# KiCad board v10.kicad_pcb (continued)
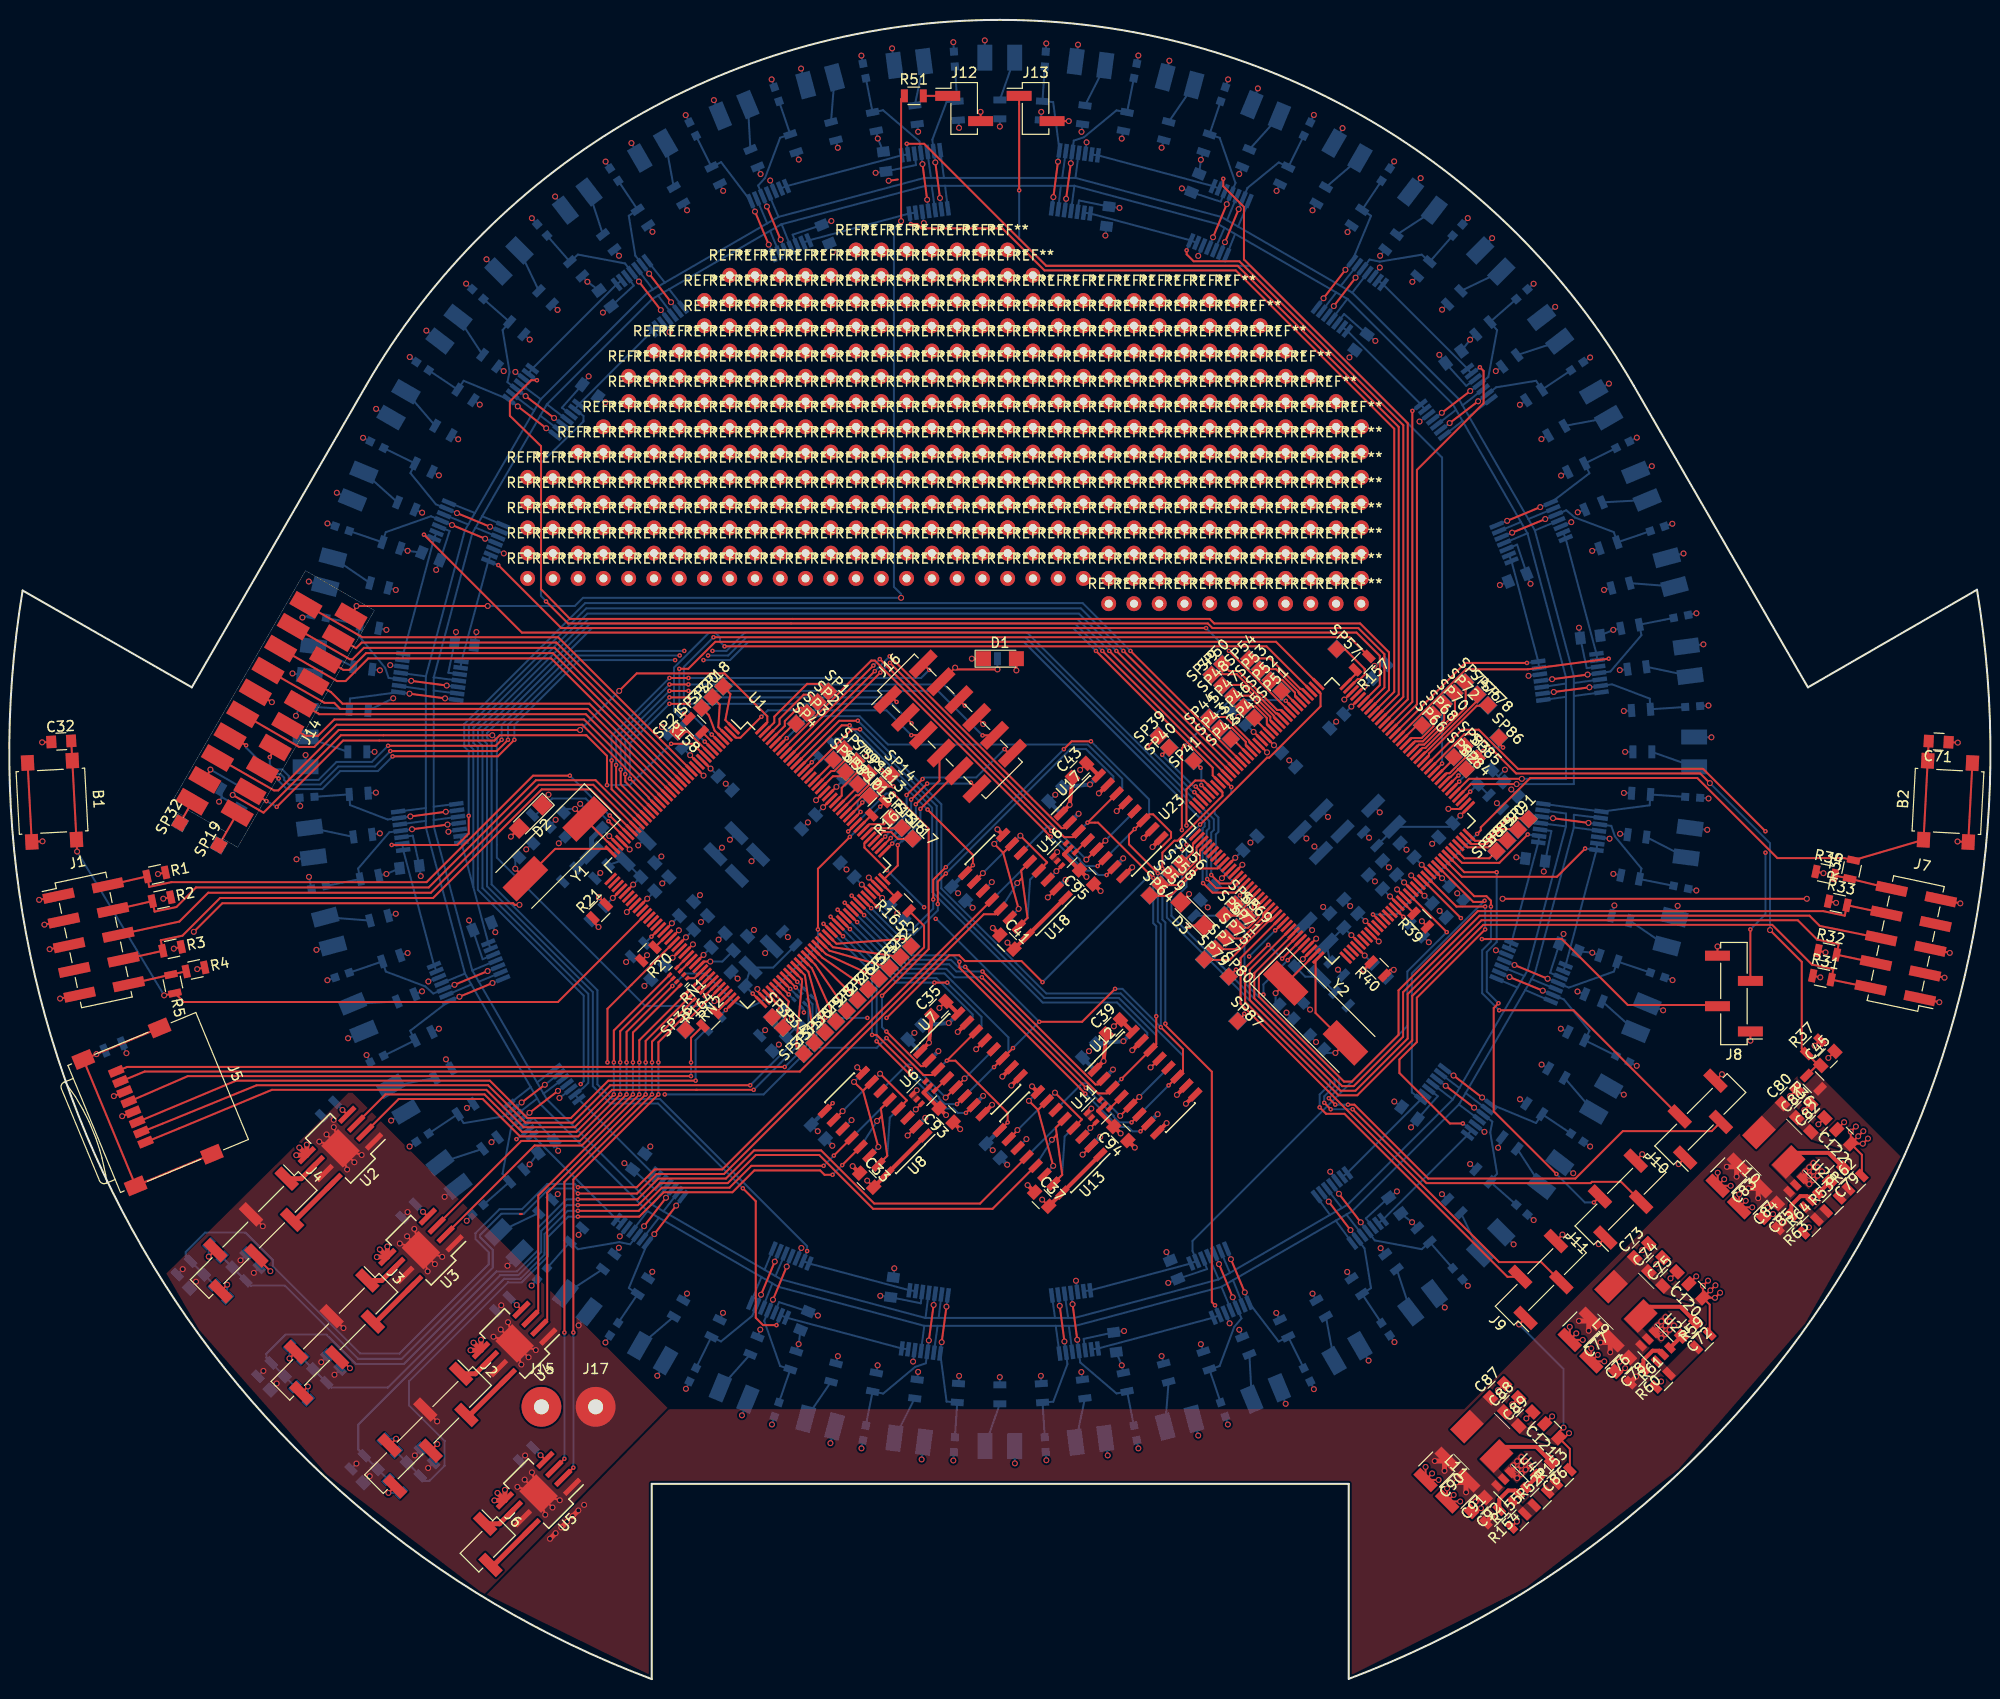
[diagram p0: board, top side]
## Routing (per net, layer and track width the routed paths; a pad name or vN(x,y) marks a point on that pad's centre or on a via; arc(x,y) is an arc through that point) (continued)
GND: length 504.4
  Top w0.2: U8.8 v1(85.24,61.51) ; v1(59.23,75.62) 58.66,76.19 R21.2 ; U1.44 v1(62.08,77.12) ; v1(68.72,73.87) 67.88,73.03 U1.58 ; v1(86.4,80.59) 87.25,79.74 U1.106 ; U1.126 v1(81.1,88.37) ; U1.12 v1(69.79,90.84) ; U1.33 v1(62.36,83.42) ; J1.3 v1(3.52,75.85) ; J1.5 v1(4.05,73.39) ; J1.9 v1(5.1,68.43) ; J5.6 v1(10.5,58.62) ; J4.3 v1(25.48,45.54) ; J3.3 v1(33.59,35.3) ; v1(139.18,71.32) 138.83,71.32 R40.2 ; B2.2 B2.2 v1(195.86,84.22) ; J7.9 v1(196.14,78) ; J7.5 v1(195.08,73.02) ; J7.3 v1(194.55,70.53) ; B1.2 B1.2 v1(3.33,84.24) ; J14.10 v1(26.39,98.23) ; U23.74 145.82,87.48 v1(144.67,87.5) ; v1(134.21,98.49) 135.06,99.34 U23.106 ; v1(126.44,93.18) 125.58,94.03 U23.126 ; v1(123.96,81.88) 123.11,81.03 U23.12 ; U23.33 v1(131.38,74.45) ; v1(137.67,74.17) 136.83,75.01 U23.44 136.78,75.01 ; v1(139.51,79.4) 140.36,78.55 U23.54 ; v1(140.93,80.81) 141.77,79.96 U23.58 ; 154.35,25.68 C121.2 v1(155.1,26.42) ; 167.66,40.94 C75.2 v1(167.01,40.29) ; 182.53,56.43 C82.2 182.53,56.44 v1(181.87,55.78) ; v1(67.31,75.29) 66.46,74.44 U1.54 66.46,74.44 ; C83.2 v1(172.4,50.26) ; C83.2 173.06,49.6 v1(173.06,49.6) ; C83.2 v1(171.75,50.91) ; v1(173.91,48.75) 173.91,48.74 C84.2 ; v1(175.22,47.43) 175.22,47.44 C84.2 ; C84.2 v1(174.56,48.09) ; v1(177.31,46.75) 176.98,46.42 C85.2 ; v1(180.92,45.43) 180.37,44.88 R64.1 ; v1(179.03,58.62) 179.69,59.28 C80.2 ; C81.2 v1(180.45,57.2) ; v1(164.17,43.13) 164.82,43.78 C73.2 ; v1(165.58,41.71) 166.24,42.36 C74.2 ; v1(157.53,34.76) 156.88,34.11 C77.2 ; v1(158.18,34.11) 158.18,34.11 C77.2 ; v1(159.04,33.25) 159.04,33.25 C76.2 ; v1(160.35,31.94) 160.35,31.94 C76.2 ; C76.2 v1(159.7,32.6) ; v1(162.44,31.26) 162.11,30.93 C78.2 ; v1(166.06,29.93) 165.51,29.38 R61.1 ; v1(147.95,17.18) 147.62,16.85 C92.2 ; v1(143.69,20.03) 143.69,20.02 C90.2 ; v1(143.04,20.68) 142.38,20.03 C90.2 ; v1(144.54,19.17) 144.55,19.17 C91.2 ; C91.2 v1(145.2,18.52) ; C91.2 145.86,17.86 v1(145.86,17.86) ; R155.1 v1(151.56,15.84) ; C87.2 v1(149.67,29.05) ; v1(151.09,27.63) 151.74,28.28 C88.2 ; v1(152.51,26.21) 153.17,26.86 C89.2 ; v1(97.64,157.58) 97.65,157.57 J12.2 ; v1(75.2,69.39) 75.2,69.17 75.94,68.43 U1.74 75.94,68.47 ; U2.1 v1(32.61,55.5) ; U2.1 v1(31.15,54.04) ; U2.1 v1(35.41,52.7) ; U2.1 v1(33.95,51.24) ; U2.1 v1(31.88,54.77) ; U2.1 v1(34.68,51.97) ; U3.1 v1(40.71,45.27) ; U3.1 v1(39.25,43.8) ; U3.1 v1(43.51,42.46) ; U3.1 v1(42.05,41) ; U3.1 v1(42.78,41.73) ; U3.1 v1(39.98,44.53) ; U4.1 v1(50.13,35.88) ; U4.1 v1(48.67,34.42) ; U4.1 v1(52.93,33.08) ; U4.1 v1(51.47,31.62) ; U4.1 v1(49.4,35.15) ; U4.1 v1(52.2,32.35) ; U5.1 v1(52.53,20.78) ; U5.1 v1(51.07,19.32) ; U5.1 v1(55.33,17.98) 55.33,17.98 ; U5.1 v1(53.87,16.52) 53.87,16.52 ; U5.1 v1(51.8,20.05) ; U5.1 v1(54.6,17.25) 54.6,17.25 ; v1(43.01,25.91) 43.01,25.91 J2.3 ; v1(54.2,88.93) 53.58,88.31 D2.1 ; J16.8 v1(97.91,96.03) ; J9.4 v1(156.14,44.7) ; J11.4 v1(164.16,52.78) ; J10.4 v1(172.18,60.82) ; v1(171.73,73.67) 171.73,73.66 171.73,72.74 ; v1(118.61,75.72) 118.66,75.77 D3.1 ; C90.2 v1(142.38,21.33) ; U7.15 96.29,66.01 ; C122.2 v1(184.46,55.99) ; C77.2 v1(156.88,35.42) ; v1(167.36,35.55) v1(166.93,35.13) ; C45.2 v1(182.87,62.46) ; D1.1 v1(96.76,102.6) ; R37.2 v1(181.49,63.69) ; C120.2 v1(169.59,40.49) ; J13.2 v1(106.51,156.65)
  Top w0.4: 180.93,51.44 v1(180.95,51.47) ; 180.93,51.44 v1(180.53,51.04) 180.53,50.63 U28.1 ; 180.93,51.44 v1(181.38,51.89) ; v1(100.73,59.68) U7.9 ; v1(98.79,57.74) U7.8 ; U7.10 v1(99.83,60.58) ; U7.1 v1(92.45,63.99) C35.1 ; U7.15 v1(95.34,65.07) ; v1(117.38,58.74) 117.38,58.74 U12.10 ; C94.1 v1(113.15,53.44) ; C39.1 v1(110.01,62.14) U12.1 ; v1(114.93,83.66) 114.93,83.67 U17.9 ; v1(112.89,81.62) 112.88,81.62 U17.8 ; v1(114.03,84.56) 114.03,84.57 U17.10 ; v1(109.53,89.06) 109.54,89.06 U17.15 ; C43.1 v1(106.6,87.91) 106.59,87.91 U17.1 ; C95.1 v1(109.71,79.24) ; U28.1 180.52,50.62 v1(180.95,50.62) v1(181.38,51.04) v1(181.8,51.47) ; U28.1 180.85,49.77 v1(180.95,49.77) v1(181.38,50.19) v1(181.8,50.62) v1(182.23,51.04) ; U11.1 v1(108.78,57.36) ; U27.1 165.65,35.13 v1(166.08,35.13) v1(166.51,35.55) v1(166.93,35.97) ; U27.1 165.66,35.13 v1(165.66,35.55) v1(166.08,35.97) v1(166.51,36.4) ; U27.1 165.98,34.28 v1(166.08,34.28) v1(166.51,34.7) v1(166.93,35.13) ; U18.8 v1(99.34,85.44) ; U12.9 v1(118.29,57.85) ; C93.1 v1(95.59,55.29) ; v1(152.44,21.91) v1(152.01,21.48) v1(151.59,21.06) 151.17,21.06 U48.1 ; U12.15 v1(112.89,63.23) ; U48.1 151.16,21.05 v1(151.16,21.48) v1(151.59,21.91) v1(152.01,22.33) ; U48.1 151.48,20.21 v1(151.59,20.21) v1(152.01,20.63) v1(152.44,21.06) v1(152.86,21.48) ; C33.1 v1(84.78,51.58) ; U12.8 v1(116.34,55.9) ; C37.1 v1(102.37,49.67) ; U16.1 v1(105.34,83.15) ; U13.8 v1(102.82,59.6) ; U6.1 v1(91.22,59.21) ; C41.1 v1(98.87,75.53)
  Bottom w0.2: C21.2 v1(65.55,82.72) ; C15.2 v1(69.44,78.83) ; v1(74.86,75.33) 74.21,74.67 C18.2 ; v1(65.61,95.73) 66.26,95.07 C16.2 ; v1(78.67,66.41) 79.32,65.76 C11.2 C10.2 ; C17.2 v1(63.84,69.7) ; R18.2 v1(62,72.1) ; C13.2 v1(59.23,75.62) ; v1(55.23,84.04) C6.2 56.42,85.22 ; R19.2 v1(11.77,62.93) ; R16.2 v1(17.43,41.22) ; C7.2 v1(18.76,39.96) ; R12.2 v1(25.54,30.99) ; C3.2 v1(26.87,29.72) ; R46.2 v1(87.31,154.9) C96.1 ; R47.2 v1(79.36,152.78) ; v1(95.48,155.97) R45.2 ; R48.2 v1(71.76,149.64) ; R65.2 v1(64.65,145.51) ; R66.2 v1(58.11,140.5) C98.1 ; R67.2 v1(52.31,134.68) ; R68.2 v1(47.29,128.14) ; R71.2 v1(43.19,121.03) ; R72.2 v1(40.04,113.44) C100.1 ; R73.2 v1(37.91,105.5) ; R77.2 v1(36.85,89.13) ; R78.2 v1(37.9,80.95) C102.1 ; R79.2 v1(40.04,73) ; R80.2 v1(43.19,65.39) ; R84.2 v1(52.31,51.75) C104.1 ; R86.2 v1(64.64,40.96) ; R89.2 v1(71.75,36.83) ; R90.2 v1(79.35,33.69) C106.1 ; R91.2 v1(87.29,31.55) ; R92.2 v1(95.48,30.49) ; R95.2 v1(103.7,30.49) ; R96.2 v1(111.83,31.55) C108.1 ; R97.2 v1(119.79,33.68) ; R98.2 v1(127.37,36.82) ; R101.2 v1(134.5,40.94) ; R102.2 v1(141.02,45.94) C110.1 ; R103.2 v1(146.86,51.79) ; R104.2 v1(151.87,58.3) ; R107.2 v1(155.98,65.39) ; R108.2 v1(159.14,73.04) C112.1 ; R109.2 v1(161.26,80.96) ; R110.2 v1(162.32,89.1) ; R113.2 v1(162.31,97.34) ; R114.2 v1(161.25,105.5) C114.1 ; R115.2 v1(159.13,113.44) ; R116.2 v1(156,121.01) ; R119.2 v1(151.86,128.13) ; R120.2 v1(146.86,134.67) C116.1 ; R121.2 v1(141.05,140.49) ; R122.2 v1(134.53,145.49) ; R125.2 v1(127.4,149.63) ; R126.2 v1(119.79,152.76) C118.1 ; R127.2 v1(111.83,154.89) ; D4.1 v1(98.06,164.76) ; D5.1 v1(88.75,163.96) ; D6.1 v1(79.59,161.93) ; D7.1 v1(70.83,158.76) ; D8.1 v1(62.54,154.44) ; D9.1 v1(54.87,149.07) ; D18.1 v1(47.97,142.76) ; D19.1 v1(41.92,135.58) ; D20.1 v1(36.87,127.72) ; D21.1 v1(32.92,119.28) ; D22.1 v1(30.1,110.36) ; D23.1 v1(28.46,101.12) ; D25.1 v1(28.87,82.43) ; D26.1 v1(30.87,73.32) ; D27.1 v1(34.05,64.43) ; D29.1 v1(43.76,48.49) ; D30.1 v1(50.07,41.56) ; D32.1 v1(65.14,30.5) ; D33.1 v1(73.65,26.52) ; D34.1 v1(82.54,23.73) ; D35.1 v1(91.72,22.09) ; D36.1 v1(101.09,21.69) ; D37.1 v1(110.42,22.49) ; D38.1 v1(119.52,24.49) ; D39.1 v1(128.32,27.68) ; D40.1 v1(136.65,32.02) ; D41.1 v1(144.31,37.37) ; D42.1 v1(151.23,43.71) ; D43.1 v1(157.23,50.86) ; D44.1 v1(162.31,58.76) ; D45.1 v1(166.26,67.24) ; D47.1 v1(170.7,85.4) ; D48.1 v1(171.12,94.69) ; D49.1 v1(170.31,104.04) ; D50.1 v1(168.31,113.18) ; D51.1 v1(165.13,121.96) ; D52.1 v1(160.82,130.25) ; D53.1 v1(155.41,137.97) ; D54.1 v1(149.07,144.88) ; D55.1 v1(141.89,150.92) ; D56.1 v1(134.03,155.94) ; D57.1 v1(125.52,159.93) ; D58.1 v1(116.62,162.72) ; D59.1 v1(107.44,164.33) ; U25.12 v1(76.49,150.68) ; U21.12 v1(66.37,135.43) ; U22.12 v1(50.87,131.43) ; U26.12 v1(49.71,113.18) ; U29.12 v1(38.29,101.95) ; U31.12 v1(42.12,70.14) ; U33.12 v1(61.37,44.52) ; U34.12 v1(79.62,43.35) ; U35.12 v1(90.86,31.93) ; U36.12 v1(107.23,40.05) ; U37.12 v1(122.68,35.77) ; U38.12 v1(132.79,51.01) ; U39.12 v1(148.3,55.02) ; U40.12 v1(149.45,73.28) ; U41.12 v1(160.88,84.5) ; U42.12 v1(152.73,100.87) ; U43.12 v1(157.03,116.33) ; U44.12 v1(141.77,126.44) ; U45.12 v1(137.78,141.93) ; U46.12 v1(119.52,143.09) ; U47.12 v1(108.3,154.52) ; U24.12 v1(91.93,146.4) ; C97.1 v1(82.79,143.5) ; C99.1 v1(59.92,128.37) ; C105.1 v1(64.44,53.56) ; C107.1 v1(88.97,41.3) ; C109.1 v1(116.33,42.94) ; C111.1 v1(139.23,58.07) ; C113.1 v1(151.5,82.63) ; C115.1 v1(149.85,110) ; C117.1 v1(134.72,132.89) ; C119.1 v1(110.19,145.14) ; C70.2 v1(128.67,92.38) ; C69.2 v1(133.39,96.27) ; C68.2 v1(140.46,83.39) ; C67.2 v1(138.69,81.62) ; C66.2 v1(134.8,77.73) ; C65.2 v1(124.77,84.11) ; C27.2 v1(65.64,80.01) ; C28.2 v1(69.53,76.12) ; C29.2 v1(71.3,74.35) ; C30.2 v1(84.16,81.4) ; v1(80.28,86.14) C31.2 79.63,85.48 ; v1(72.02,90.03) C26.2 72.67,89.37 ; U32.12 v1(55.3,58.43) ; v1(89.27,77.02) 89.92,76.36 C19.2 90,76.36 ; D46.1 v1(167.72,77.75) ; C101.1 v1(46.95,105.28) ; R74.2 v1(38.59,98.62) ; 149.68,90.77 C49.2 ; 149.68,90.77 C48.2 ; 149.68,90.77 149.69,90.77 v1(150.36,91.44) ; v1(123.56,96.75) 122.91,97.4 C59.2 ; C54.2 v1(137.29,80.21) ; v1(143.79,77.24) 144.44,76.58 C56.2 ; C57.2 v1(145.56,79.01) ; C12.1 v1(51.96,83.43) ; v1(54.92,86.4) C9.1 54.27,85.74 ; v1(57.39,88) 58.13,87.26 C5.2 ; v1(128.39,67.02) 129.05,66.36 C50.1 ; C51.1 v1(131.37,64.06) ; C22.2 v1(63.22,83.83) ; C61.2 v1(130.97,75.31) ; v1(73.21,70.44) C23.2 72.56,70.63 ; v1(23.24,42.11) 23.24,42.11 C8.2 ; v1(31.35,31.87) 31.36,31.87 C4.2 ; v1(32.68,30.6) 32.69,30.6 R10.2 ; v1(137.25,101.88) 137.38,102.01 C58.2 138.43,102.01 ; R85.2 v1(57.23,44.67) ; R83.2 v1(46,57.43) ; D28.1 v1(38.38,56.16) ; v1(32.61,56.23) 32.19,56.65 R22.2 ; v1(40.03,46.96) 39.48,46.41 R23.2 ; v1(51.85,22.49) 51.3,21.93 R28.2 ; D31.1 v1(57.23,35.57) ; C103.1 v1(48.85,75.1) ; U30.12 v1(44.14,85.2) ; v1(120.48,77.6) 119.73,78.35 C55.2 119.73,78.36 ; v1(86.19,92.76) 85.33,91.9 C20.2 85.33,91.89 ; v1(130.77,67.31) C47.2 C46.2 ; C64.2 v1(132.57,86.69) ; D24.1 v1(29.78,92.91) ; C63.2 v1(137.77,87.15) ; R6.2 v1(42.1,21.22) ; C53.2 v1(130.4,84.52) ; R8.2 v1(34.89,21.67) ; C24.2 v1(75.98,73) ; R38.2 v1(142.7,74.09) ; R14.2 v1(24.58,40.84) ; C14.2 v1(72.44,84.4) ; R128.2 v1(103.74,157.58) ; C25.2 v1(74.61,82.23) ; C1.2 v1(36.23,20.4) ; C2.2 v1(40.76,22.49) ; C52.2 v1(139.18,71.32) ; C60.2 v1(132.08,77.64) ; C62.2 v1(143.04,83.99) ; R24.2 v1(49.45,37.59)
  Bottom w0.4: U7.8 v1(98.79,57.74) ; U10.10 v1(97.9,58.64) ; U10.15 v1(93.4,63.14) ; U10.1 v1(94.45,65.97) C36.1 ; U7.9 v1(100.73,59.68) ; v1(118.29,57.85) U12.9 ; v1(116.34,55.9) U12.8 ; C40.1 v1(112,64.13) U15.1 ; v1(114.93,83.66) 114.93,83.67 U17.9 ; v1(112.89,81.62) 112.88,81.62 U17.8 ; v1(111.98,82.53) 111.98,82.52 U20.10 ; v1(107.5,87.01) 107.49,87.01 U20.15 ; C44.1 v1(108.64,89.95) 108.64,89.96 U20.1 ; C34.1 v1(82.74,53.62) ; U14.7 v1(109.67,54.53) ; C42.1 v1(96.84,77.55) ; U19.7 v1(106.19,80.37) ; U9.7 v1(92.08,56.44) ; C38.1 v1(100.32,51.72) ; U15.15 v1(110.95,61.29) ; U15.10 v1(115.44,56.8)
(no net): length 1.1
  Top w0.2: 89.32,150.78 v1(88.4,150.65) ; 51.53,46.76 51.33,46.76
/BAT_LED: length 45
  Top w0.2: J14.8 31.68,98.16 32.66,98.16 33.27,97.55 58.13,97.55 U1.19
/Button_back: length 40.6
  Top w0.2: J14.7 32.32,99.25 32.32,99.25 33.49,98.08 58.31,98.08 U1.18
/Button_bot: length 47
  Top w0.2: J14.6 32.95,100.35 33.8,100.35 36.08,102.63 54.47,102.63 U1.17
/Button_left: length 41.1
  Top w0.2: J14.3 34.86,103.66 35.42,104.22 55,104.22 U1.14
/Button_mid: length 46.1
  Top w0.2: J14.4 34.22,102.55 34.5,102.55 35.64,103.69 54.82,103.69 U1.15
/Button_right: length 42
  Top w0.2: J14.5 33.59,101.47 34.17,101.47 35.86,103.16 54.64,103.16 U1.16
/Button_top: length 45.2
  Top w0.2: J14.2 35.49,104.75 55.17,104.75 U1.13
/CMPS03_PWM: length 64.3
  Top w0.2: J14.16 26.6,89.36 27.04,89.36 33.11,95.43 v1(57.38,95.43) ; v1(61.31,99.36) 63.07,101.12 71.89,101.12 76.2,96.81 76.2,96.2 U1.144
  Bottom w0.2: v1(57.38,95.43) v1(61.31,99.36)
/I²C_clock: length 78.7
  Top w0.2: v1(70.88,68.17) 70.93,68.12 71.45,68.12 72.12,68.78 U1.70 ; J14.18 v1(20.21,91.45) ; v1(22.45,88.9) 25.55,87.12 33.33,94.9 v1(48.55,94.9)
  Bottom w0.2: v1(70.88,68.17) 70.39,67.68 63.92,67.68 49.01,82.59 49.01,94.44 v1(48.55,94.9) ; R26.2 v1(20.21,91.45) 22.99,89.85 v1(22.45,88.9)
/I²C_data: length 57.2
  Top w0.2: v2(26.88,87.7) 33.55,94.37 48.77,94.37 49.3,94.9 58.01,94.9 60.08,92.83 v2(60.08,89.89) ; J14.17 v2(25.85,88.28) ; v2(66.53,94.04) 68.71,94.04 70,92.75 U1.9
  Bottom w0.2: R25.2 v2(25.85,88.28) v2(26.88,87.7) ; v2(60.08,89.89) 62.37,89.89 66.52,94.04 v2(66.53,94.04)
/M_LED1: length 40.5
  Top w0.2: J14.9 31.06,97.09 31.13,97.02 57.96,97.02 U1.20
/M_LED2: length 42
  Top w0.2: J14.11 29.77,94.84 31.02,94.84 32.67,96.49 57.78,96.49 U1.21
/M_LED3: length 47
  Top w0.2: J14.12 29.13,93.73 30.66,93.73 32.89,95.96 57.6,95.96 U1.22
/Motor Controller/ENC1A: length 54.7
  Top w0.2: U7.3 92.8,60.74 91.9,60.74 v2(88.18,64.46) ; U1.55 60.13,67.4 v2(60.13,62.01)
  In2.Cu w0.2: v2(60.13,62.01) 60.13,61.06 60.79,60.4 65.38,60.4 65.89,59.89 v2(65.89,58.79)
  Bottom w0.2: v2(88.18,64.46) 87.2,63.48 80.52,63.48 75.83,58.79 v2(65.89,58.79)
/Motor Controller/ENC1B: length 40.8
  Top w0.2: v2(87.73,68.71) 92.42,73.4 92.42,85.5 v2(88.88,89.04) ; v2(84.33,85.23) 85.13,86.03 U1.117 ; v2(88.17,65.11) 91.65,61.63 91.9,61.63 92.46,62.19 U7.2
  Bottom w0.2: v2(88.17,65.11) 87.73,65.55 v2(87.73,68.71) ; v2(88.88,89.04) 88.14,89.04 v2(84.33,85.23)
/Motor Controller/ENC1C: length 27
  Top w0.2: v2(95.27,57.82) 96.06,58.6 U7.6 ; 90.63,61.37 v2(90.63,61.33) 87.19,64.77 v2(86.73,64.77) ; v2(81.85,75.94) 82.64,75.15 U1.93
  Bottom w0.2: v2(90.63,61.33) 93.48,58.48 93.48,58.38 94.04,57.82 v2(95.27,57.82) ; v2(81.85,75.94) 86.73,71.06 v2(86.73,64.77)
/Motor Controller/ENC1D: length 26.2
  Top w0.2: v2(96.17,56.93) 96.95,57.71 U7.7 ; U1.94 v2(83.81,74.7) ; v2(90.57,60.75) v2(87.19,64.13)
  Bottom w0.2: v2(90.57,60.75) 93.95,57.37 94.91,57.37 95.35,56.93 v2(96.17,56.93) ; v2(83.81,74.7) 87.19,71.32 v2(87.19,64.13)
/Motor Controller/ENC1E: length 22.2
  Top w0.2: v2(82.56,76.65) 83.36,75.85 U1.95 ; v2(93,70.03) v2(94.29,70.03)
  Bottom w0.2: U10.3 97.74,65.68 97.74,66.58 v2(94.29,70.03) ; v2(93,70.03) 89.18,70.03 v2(82.56,76.65)
/Motor Controller/ENC1F: length 18.1
  Top w0.2: v2(84.51,75.41) 83.72,76.2 U1.96
  Bottom w0.2: v2(84.51,75.41) 89.43,70.49 93.19,70.49 96.84,66.84 96.84,66.58 96.28,66.02 U10.2
/Motor Controller/ENC1G: length 26
  Top w0.2: v2(83.27,77.36) 84.07,76.56 U1.97
  Bottom w0.2: v2(83.27,77.36) 89.68,70.95 94.01,70.95 100.44,64.52 100.44,62.99 99.87,62.42 U10.6
/Motor Controller/ENC2A: length 34.2
  Top w0.2: v2(85.23,76.12) 84.44,76.91 U1.98 ; v2(97.77,70.57) 109.45,58.89 110.35,58.89 110.91,59.45 U12.3
  Bottom w0.2: v2(85.23,76.12) 89.94,71.41 94.19,71.41 95.03,70.57 v2(97.77,70.57)
/Motor Controller/ENC2B: length 35
  Top w0.2: U12.2 109.45,59.79 109.19,59.79 v2(97.83,71.15) ; v2(83.98,78.06) 84.77,77.27 U1.99
  Bottom w0.2: v2(83.98,78.06) 90.17,71.87 94.48,71.87 95.2,71.15 v2(97.83,71.15)
/Motor Controller/ENC2C: length 37.8
  Top w0.2: v2(112.82,55.98) 113.6,56.76 U12.6 ; v2(108.23,59.44) 108.22,59.45 108.22,59.48 v2(96.09,71.61) ; v2(85.93,76.82) 85.13,77.62 U1.100
  Bottom w0.2: v2(108.23,59.44) 111.03,56.64 111.03,56.54 111.59,55.98 v2(112.82,55.98) ; v2(85.93,76.82) 90.43,72.32 94.67,72.32 95.38,71.61 v2(96.09,71.61)
/Motor Controller/ENC2D: length 41.4
  Top w0.2: U12.7 v2(113.72,55.08) ; v2(108.17,58.86) 107.65,59.38 107.65,59.4 95.51,71.54 v2(95.51,72.12) ; v2(84.68,78.77) 85.48,77.97 U1.101
  Bottom w0.2: v2(108.17,58.86) 111.51,55.52 112.47,55.52 112.91,55.08 v2(113.72,55.08) ; v2(95.51,72.12) 94.85,72.78 90.67,72.78 v2(84.68,78.77)
/Motor Controller/ENC2E: length 56.4
  Top w0.2: v2(85.52,95.5) 84.69,95.5 80.18,90.99 U1.131
  Bottom w0.2: v2(85.52,95.5) 93.23,87.79 93.23,79.32 104.06,68.49 111.54,68.49 115.3,64.73 115.3,63.84 114.74,63.27 U15.3
/Motor Controller/ENC2F: length 55.5
  Top w0.2: U1.133 83.68,95.9 v2(84.48,95.9)
  Bottom w0.2: v2(84.48,95.9) 92.77,87.61 92.77,79.14 103.88,68.03 111.36,68.03 114.4,64.99 114.4,64.74 113.83,64.17 U15.2
/Motor Controller/ENC2G: length 61.9
  Top w0.2: v2(85.3,96.36) 83.43,96.36 79.12,92.05 U1.134
  Bottom w0.2: v2(85.3,96.36) 93.69,87.97 93.69,79.5 104.25,68.94 111.73,68.94 117.99,62.68 117.99,61.15 117.43,60.58 U15.6
/Motor Controller/ENC3A: length 40.3
  Top w0.2: v2(87.57,101.21) 78.77,92.4 U1.135 ; v2(88.53,102.18) 106.05,84.66 106.94,84.66 107.51,85.22 U17.3
  Bottom w0.2: v2(88.53,102.18) 87.57,101.22 v2(87.57,101.21)
/Motor Controller/ENC3B: length 39.8
  Top w0.2: U17.2 106.04,85.56 105.79,85.56 88.51,102.84 v2(88.51,102.84) ; v2(87.01,101.35) 78.42,92.75 U1.136
  Bottom w0.2: v2(88.51,102.84) 87.02,101.35 v2(87.01,101.35)
/Motor Controller/ENC3C: length 45.1
  Top w0.2: v2(109.41,81.75) 110.2,82.53 U17.6 ; v2(104.75,85.28) 104.76,85.29 104.76,85.31 v2(87.51,102.56) ; v2(86.86,101.91) U1.137
  Bottom w0.2: v2(104.75,85.28) 107.62,82.41 107.62,82.31 108.18,81.75 v2(109.41,81.75) ; v2(87.51,102.56) v2(86.86,101.91)
/Motor Controller/ENC3D: length 46.4
  Top w0.2: v2(110.31,80.85) U17.7 ; v2(104.69,84.7) 104.17,85.22 104.17,85.26 87.02,102.41 86.65,102.41 77.71,93.46 U1.138
  Bottom w0.2: v2(104.69,84.7) 108.1,81.29 109.05,81.29 109.49,80.85 v2(110.31,80.85)
/Motor Controller/ENC3E: length 40.1
  Top w0.2: v2(78.15,94.61) 77.36,93.81 U1.139
  Bottom w0.2: v2(78.15,94.61) 80.36,96.82 85.48,96.82 88.33,93.97 108.42,93.97 111.88,90.51 111.88,89.61 111.32,89.05 U20.3
/Motor Controller/ENC3F: length 38.2
  Top w0.2: v2(94.15,81) 93.34,80.19 v2(93.34,77.93) ; v2(86.64,77.52) 85.84,78.32 U1.102
  Bottom w0.2: U20.2 110.99,90.51 110.99,90.76 108.24,93.51 106.66,93.51 v2(94.15,81) ; v2(86.64,77.52) 89.28,74.88 90.93,74.88 93.34,77.29 v2(93.34,77.93)
/Motor Controller/ENC3G: length 44.1
  Top w0.2: v2(106.02,93.51) 106.8,94.29 v2(108.74,94.29) ; v2(94.15,81.64) 92.88,80.37 v2(92.88,78.39) ; v2(87.19,77.69) 86.2,78.68 U1.103
  Bottom w0.2: v2(106.02,93.51) v2(94.15,81.64) ; v2(87.19,77.69) 89.54,75.34 90.75,75.34 92.88,77.47 v2(92.88,78.39) ; U20.6 114.02,86.36 114.58,86.92 114.58,88.45 v2(108.74,94.29)
/Motor Controller/ENC_CLK: length 115.4
  Top w0.2: v2(111.8,60.34) 111.8,60.34 U12.14 114.74,63.27 115.3,63.84 v2(115.3,66.65) ; U17.14 v2(108.39,86.11) 109.46,86.11 v2(115,80.57) ; U7.14 94.25,62.18 v2(94.25,62.18) 95.11,62.18 100.36,56.93 v2(100.36,55.98) 99.58,55.2 U13.9 ; v2(82.77,57.91) 81.99,57.12 U8.9 ; v2(92.31,87.43) 96.87,82.87 v2(96.87,81.84) 96.09,81.06 U18.9
  In2.Cu w0.2: v2(111.8,60.34) 111,60.34 106.64,55.98 v2(100.36,55.98) ; v2(94.25,62.18) 93.44,62.18 89.17,57.91 v2(82.77,57.91) ; v2(108.39,86.11) 107.55,86.11 103.27,81.84 v2(96.87,81.84)
  Bottom w0.2: v2(94.25,62.18) 94.24,62.18 U10.14 ; v2(111.8,60.34) 111.79,60.34 U15.14 ; v2(108.39,86.11) U20.14 ; v2(92.31,87.43) 85.14,94.6 83.08,94.6 82.68,94.19 R54.2 ; v2(115.3,66.65) 115.3,75.71 115,76.01 v2(115,80.57)
/Motor Controller/ENC_LOAD: length 96
  Top w0.2: v2(116.55,59.7) U12.11 117.43,60.58 117.99,61.15 117.99,63.32 v2(115.76,65.55) ; v2(98.99,61.53) 98.99,61.54 U7.11 99.87,62.42 v2(100.9,63.45) ; v2(111.16,69.4) 107.85,66.09 v2(103.54,66.09) ; 115.76,83.58 116.79,84.61 116.79,85.15 114.99,86.95 114.62,86.95 U17.11 v2(113.14,85.47) 112.56,84.89 112.56,83.93 v2(115.46,81.03) ; U1.113 85.96,84.04 85.96,83.61 v2(88.22,81.35)
  In2.Cu w0.2: v2(93.13,76.44) v2(91.96,77.61)
  Bottom w0.2: U10.11 98.99,61.53 v2(98.99,61.53) ; v2(116.55,59.7) U15.11 ; v2(113.14,85.47) U20.11 ; v2(111.16,69.4) 111.91,69.4 v2(115.76,65.55) 115.76,75.89 115.46,76.19 v2(115.46,81.03) ; v2(100.9,63.45) v2(103.54,66.09) 93.19,76.44 v2(93.13,76.44) ; v2(88.22,81.35) v2(91.96,77.61)
/Motor Controller/Encoder 1/0: length 8.4
  Top w0.2: v1(90.3,54.66) U8.2
  In2.Cu w0.2: v1(84.67,56.2) v1(90.3,54.66)
  Bottom w0.2: U9.12 v1(84.67,56.2)
/Motor Controller/Encoder 1/1: length 10.9
  Top w0.2: v1(84.92,60.04) 85.82,59.15 ; 85.82,59.15 U8.7 ; 85.82,59.15 v1(87.36,53.51)
  Bottom w0.2: U9.1 v1(84.92,60.04) ; v1(87.36,53.51) U9.9
/Motor Controller/Encoder 1/2: length 12.8
  Top w0.2: v1(83.77,57.1) 83.76,57.1 U8.10 ; v1(87.54,60.87) 90.23,58.18 U8.4
  Bottom w0.2: U9.13 v1(83.77,57.1) U9.2 v1(87.54,60.87)
/Motor Controller/Encoder 1/3: length 11.1
  Top w0.2: U8.5 87.62,57.36 87.72,56.61 ; 87.72,56.61 v1(87.23,56.12) ; 87.72,56.61 88.26,52.61 U8.15
  Bottom w0.2: U9.10 v1(87.23,56.12)
/Motor Controller/Encoder 1/4: length 5.4
  Bottom w0.2: U9.11 U9.4
/Motor Controller/Encoder 1/5: length 6.4
  Bottom w0.2: U9.5 88.52,56.46 88.26,52.61 U9.8
/Motor Controller/Encoder 1/Direction: length 15.9
  Top w0.2: v1(96.04,60.39) 96.04,60.38 U7.5 v1(94.14,58.47)
  Bottom w0.2: v1(96.04,60.39) 96.04,60.39 U10.5 ; U9.3 90.25,61.79 90.82,61.79 v1(94.14,58.47)
/Motor Controller/Encoder 1/ENC1_H: length 0
  Bottom w0.2: U10.7 100.77,61.53
/Motor Controller/Encoder 1/ENC1_out_A: length 73.3
  Top w0.2: v2(83.73,51.68) 85.58,53.52 U8.13 85.57,53.53 ; v2(57.16,46.5) 63.33,46.5 65.78,48.95 72.69,48.95 74.89,51.15 81.51,51.15 81.95,50.71 v2(82.76,50.71)
  Bottom w0.2: v2(57.16,46.5) 56.19,46.5 54.13,44.44 54.13,42.51 51.51,39.89 50.12,39.89 40.17,29.94 40.17,27.54 43.76,23.95 43.76,21.47 42.23,19.94 41.8,19.94 R6.1 C2.1 R7.2 ; v2(82.76,50.71) v2(83.73,51.68)
/Motor Controller/Encoder 1/ENC1_out_B: length 69.5
  Top w0.2: v2(82.89,52.64) U8.12 84.67,54.43 ; v2(57.16,47.08) 63.27,47.08 65.6,49.41 72.4,49.41 74.6,51.61 v2(81.86,51.61)
  Bottom w0.2: v2(57.16,47.08) 56.13,47.08 53.8,44.75 53.8,42.67 51.39,40.26 49.74,40.26 35.08,25.6 35.08,23.07 35.69,22.46 R8.1 C1.1 R9.2 ; v2(81.86,51.61) v2(82.89,52.64)
/Motor Controller/Encoder 2/0: length 8.4
  Top w0.2: v1(107.9,52.74) 107.9,52.74 U13.2
  In2.Cu w0.2: v1(102.25,54.3) v1(107.9,52.74)
  Bottom w0.2: v1(102.25,54.3) U14.12
/Motor Controller/Encoder 2/1: length 12.1
  Top w0.2: 103.89,57.71 U13.7 103.42,57.23 ; v1(104.94,51.6) 103.42,57.23 ; 103.42,57.23 v1(102.5,58.14)
  Bottom w0.2: U14.9 v1(104.94,51.6) ; v1(102.5,58.14) U14.1 102.94,58.58
/Motor Controller/Encoder 2/2: length 12.8
  Top w0.2: v1(101.35,55.2) 101.35,55.17 U13.10 ; v1(105.12,58.97) 107.82,56.26 U13.4
  Bottom w0.2: U14.13 101.35,55.19 v1(101.35,55.2) 101.36,55.2 U14.2 v1(105.12,58.97)
/Motor Controller/Encoder 2/3: length 11.8
  Top w0.2: 105.3,54.72 105.85,50.7 U13.15 105.48,50.32 ; 105.3,54.72 v1(104.81,54.23) ; 105.3,54.72 105.21,55.44 U13.5
  Bottom w0.2: U14.10 v1(104.81,54.23)
/Motor Controller/Encoder 2/4: length 5.4
  Bottom w0.2: U14.11 U14.4
/Motor Controller/Encoder 2/5: length 6.4
  Bottom w0.2: U14.8 105.84,50.71 106.1,54.55 U14.5
/Motor Controller/Encoder 2/Direction: length 15.8
  Top w0.2: v1(113.6,58.53) 113.58,58.53 U12.5 v1(111.68,56.63)
  Bottom w0.2: v1(113.6,58.53) 113.6,58.55 U15.5 ; U14.3 107.85,59.9 108.42,59.9 v1(111.68,56.63)
/Motor Controller/Encoder 2/ENC2_H: length 0
  Bottom w0.2: U15.7 118.32,59.68
/Motor Controller/Encoder 2/ENC2_out_A: length 89.8
  Top w0.2: v2(57.16,47.66) 63.21,47.66 65.42,49.87 72.22,49.87 75.05,52.7 81.42,52.7 86.83,47.29 98.85,47.29 103.17,51.61 U13.13
  Bottom w0.2: v2(57.16,47.66) 56.06,47.66 53.47,45.07 53.47,42.93 51.16,40.62 49.35,40.62 38.05,29.32 32.39,29.32 31.9,29.81 R10.1 C4.1 R11.2
/Motor Controller/Encoder 2/ENC2_out_B: length 97.3
  Top w0.2: U13.12 102.27,52.5 97.59,47.82 86.95,47.82 81.61,53.16 74.87,53.16 72.04,50.33 65.24,50.33 63.15,48.24 v2(57.16,48.24)
  Bottom w0.2: v2(57.16,48.24) 56,48.24 53.14,45.38 53.14,43.11 51.02,40.99 48.97,40.99 39.66,31.68 34.83,31.68 31.86,34.65 27.78,34.65 25.84,32.71 25.84,32.28 26.33,31.79 R12.1 C3.1 R13.2
/Motor Controller/Encoder 3/0: length 8.3
  Top w0.2: v1(104.4,78.59) U18.2
  In2.Cu w0.2: v1(98.77,80.14) v1(104.4,78.59)
  Bottom w0.2: U19.12 v1(98.77,80.14)
/Motor Controller/Encoder 3/1: length 10.9
  Top w0.2: v1(99.02,83.98) 99.92,83.08 ; 99.92,83.08 U18.7 ; 99.92,83.08 v1(101.47,77.44)
  Bottom w0.2: U19.1 v1(99.02,83.98) ; v1(101.47,77.44) U19.9
/Motor Controller/Encoder 3/2: length 12.8
  Top w0.2: v1(101.64,84.8) 104.33,82.12 U18.4 ; v1(97.87,81.03) U18.10
  Bottom w0.2: v1(101.64,84.8) U19.2 v1(97.87,81.03) U19.13
/Motor Controller/Encoder 3/3: length 11.1
  Top w0.2: U18.5 101.72,81.29 101.82,80.55 ; 101.82,80.55 v1(101.32,80.04) ; 101.82,80.55 102.36,76.54 U18.15
  Bottom w0.2: U19.10 v1(101.32,80.04)
/Motor Controller/Encoder 3/4: length 5.4
  Bottom w0.2: U19.11 U19.4
/Motor Controller/Encoder 3/5: length 6.4
  Bottom w0.2: U19.5 102.62,80.39 102.36,76.54 U19.8
/Motor Controller/Encoder 3/Direction: length 15.9
  Top w0.2: v1(110.2,84.3) 110.18,84.3 U17.5 v1(108.28,82.4)
  Bottom w0.2: v1(110.2,84.3) 110.2,84.32 U20.5 ; U19.3 104.37,85.74 104.94,85.74 v1(108.28,82.4)
/Motor Controller/Encoder 3/ENC3_H: length 0
  Bottom w0.2: U20.7 114.92,85.45
/Motor Controller/Encoder 3/ENC3_out_A: length 105.4
  Top w0.2: v2(57.16,48.82) 63.09,48.82 65.06,50.79 71.85,50.79 97.96,76.9 99.12,76.9 99.68,77.46 U18.13
  Bottom w0.2: v2(57.16,48.82) 56.65,49.33 54.26,49.33 51.72,46.79 49.46,46.79 47.31,44.64 47.31,44.44 48.59,43.16 48.59,41.36 39.44,32.21 35.05,32.21 27.7,39.56 24.27,39.56 23.78,40.05 R14.1 23.78,40.05 C8.1 R15.2
/Motor Controller/Encoder 3/ENC3_out_B: length 114.6
  Top w0.2: U18.12 98.78,78.36 71.67,51.25 64.88,51.25 63.09,49.46 v2(57.16,49.46)
  Bottom w0.2: v2(57.16,49.46) 56.83,49.79 54.08,49.79 51.54,47.25 49.28,47.25 46.86,44.83 46.86,44.25 48.19,42.92 48.19,41.71 39.22,32.74 35.27,32.74 26.48,41.53 26.48,42.15 23.74,44.89 19.67,44.89 17.73,42.95 17.73,42.51 18.22,42.02 R16.1 C7.1 R17.2
/Motor Controller/JTAG_Test_Clock: length 60.9
  Top w0.2: J1.4 R2.2 14.6,77.17 16.79,77.63 18.76,79.6 42.16,79.6 52.94,90.38 58.94,90.38 63.28,86.04 U1.28
/Motor Controller/JTAG_Test_Data_In: length 60.3
  Top w0.2: J1.8 R3.2 15.22,74.29 17.4,74.75 21.19,78.54 42.6,78.54 53.52,89.46 58.44,89.46 62.57,85.33 U1.30
/Motor Controller/JTAG_Test_Data_Out: length 59.6
  Top w0.2: J1.6 17.09,76.17 19.99,79.07 42.38,79.07 53.23,89.92 58.7,89.92 62.93,85.69 U1.29
/Motor Controller/JTAG_Test_Mode_Select: length 60.2
  Top w0.2: J1.2 R1.2 14.06,79.66 16.28,80.13 41.94,80.13 52.65,90.84 v2(56.35,90.84) ; v2(60.36,86.83) 62.21,84.97 U1.31